# Altium PCB MIXR Input System.PcbDoc (continued)
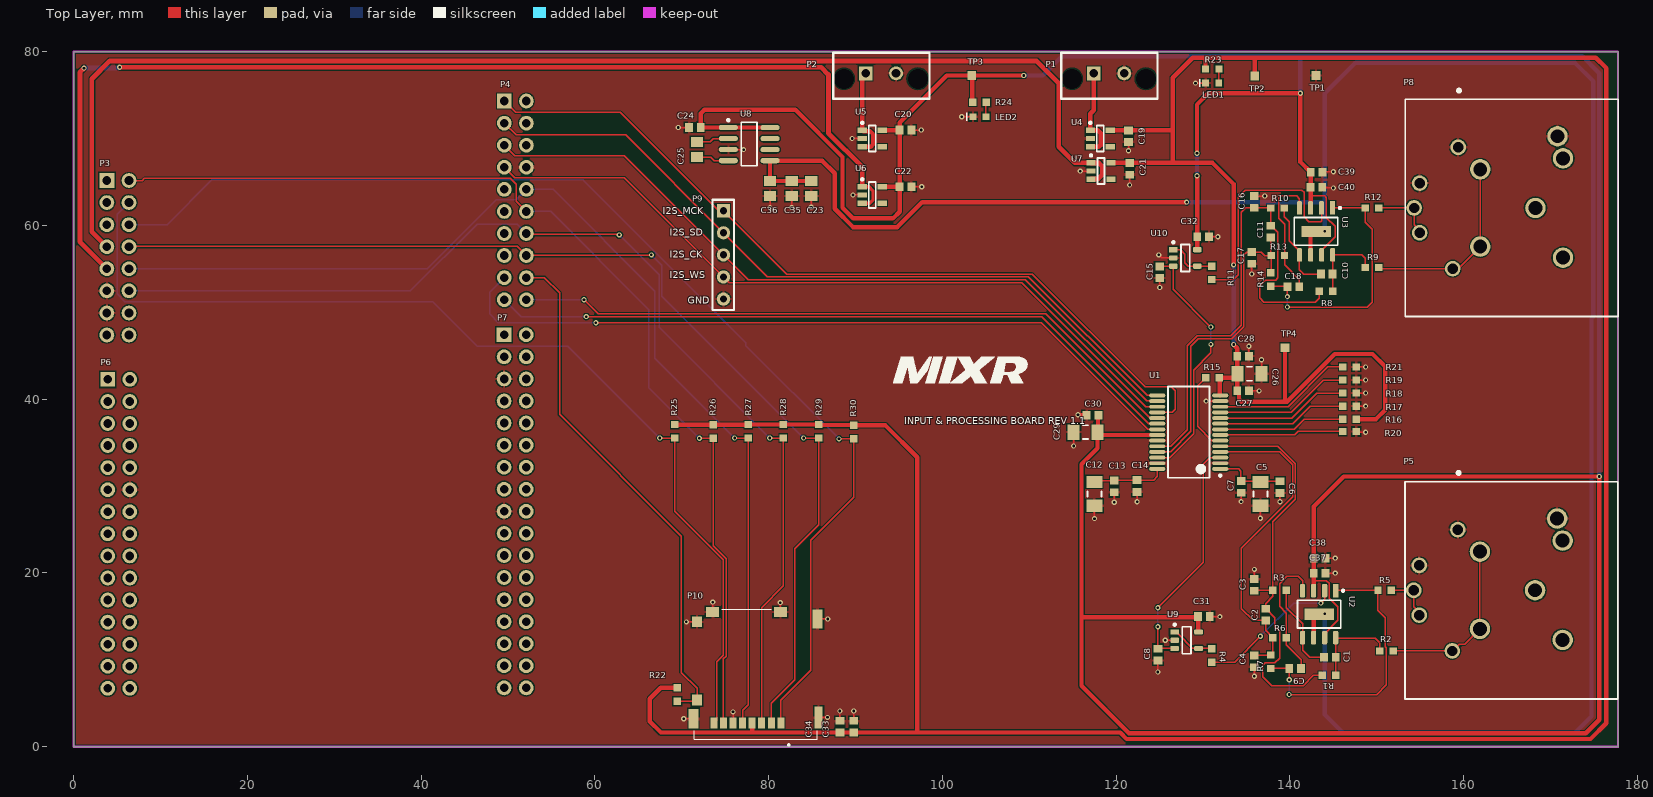
[diagram p0: Top Layer view]
## Part data
C1 C9 C10 C18: "1000pF ±10% 16V Ceramic Capacitor X7R 0603 (1608 Metric)", Manufacturer=KEMET, Manufacturer Part Number=C0603C102K4RECAUTO, Supplier Part Number 1=399-17878-1-ND, ComponentLink1Description=https://api.kemet.com/component-edge/download/datasheet/C0603C102K4RECAUTO.pdf?src-supplier=Digi-Key, ComponentLink1URL=https://api.kemet.com/component-edge/download/datasheet/C0603C102K4RECAUTO.pdf?src-supplier=Digi-Key, Pricing 1="1 = 0.19000, 10 = 0.13200, 100 = 0.06210, 500 = 0.04356, 1000 = 0.03606 (USD)", RoHS=No, Stock 1=7692, Supplier 1=Digi-Key
C2 C11: "2700pF ±10% 50V Ceramic Capacitor X7R 0603 (1608 Metric)", Capacitance=2.7nF, Case/Package=0603, Case Code (Metric)=1608, Dielectric=X7R, Dielectric Material=Ceramic, Manufacturer=KEMET, Manufacturer Part Number=C0603C272K5RACTU, Max Operating Temperature=125°C, Min Operating Temperature=-55°C, Package Quantity=1, Supplier Part Number 1=399-7890-1-ND, Tolerance=10%, Voltage=50V, Case Code (Imperial)=0603, ComponentLink1Description=https://datasheet.ciiva.com/18192/getdatasheetpartid-321287-18192955.pdf?src-supplier=Verical, ComponentLink1URL=https://datasheet.ciiva.com/18192/getdatasheetpartid-321287-18192955.pdf?src-supplier=Verical, ComponentLink2Description=https://datasheet.ciiva.com/7823/1633156-7823726.pdf?src-supplier=Element14, ComponentLink2URL=https://datasheet.ciiva.com/7823/1633156-7823726.pdf?src-supplier=Element14, ComponentLink3Description=https://datasheet.ciiva.com/7823/1633156-7823727.pdf?src-supplier=Element14, ComponentLink3URL=https://datasheet.ciiva.com/7823/1633156-7823727.pdf?src-supplier=Element14, Depth=0.8mm, Height=0.8mm, Lead Pitch=0.7mm, Length=1.6mm, Mount="Surface Mount", Number of Pins=2, Packaging="Tape and Reel", Pricing 1="1 = 0.11000, 10 = 0.08200, 100 = 0.03660, 500 = 0.02614, 1000 = 0.02054 (USD)", Radiation Hardening=No, REACH SVHC="No SVHC", RoHS=Yes, Stock 1=166011, Supplier 1=Digi-Key, Termination=SMD/SMT, Thickness=0.034inch, Voltage Rating=50V, Voltage Rating (DC)=50V, Width=0.031inch
C3 C4 C16 C17: "100pF ±1% 50V Ceramic Capacitor C0G, NP0 0603 (1608 Metric)", Capacitance=100pF, Case/Package=0603, Case Code (Metric)=1608, Dielectric=C0G, Manufacturer="Kyocera AVX", Manufacturer Part Number=06035A101FAT2A, Max Operating Temperature=125°C, Min Operating Temperature=-55°C, Package Quantity=1, Supplier Part Number 1=478-6202-1-ND, Tolerance=1%, Voltage=50V, Case Code (Imperial)=0603, ComponentLink1Description=https://datasheet.ciiva.com/22682/1796416-22682854.pdf, ComponentLink1URL=https://datasheet.ciiva.com/22682/1796416-22682854.pdf, ComponentLink2Description=https://datasheet.ciiva.com/150/ccog-150746.pdf, ComponentLink2URL=https://datasheet.ciiva.com/150/ccog-150746.pdf, ComponentLink3Description=https://datasheet.ciiva.com/150/ccog-150747.pdf, ComponentLink3URL=https://datasheet.ciiva.com/150/ccog-150747.pdf, ComponentLink4Description=https://datasheet.ciiva.com/150/ccog-150748.pdf, ComponentLink4URL=https://datasheet.ciiva.com/150/ccog-150748.pdf, ComponentLink5Description=https://datasheet.ciiva.com/28585/1796416-28585980.pdf, ComponentLink5URL=https://datasheet.ciiva.com/28585/1796416-28585980.pdf, ComponentLink6Description=https://datasheet.ciiva.com/16300/ccog-16300413.pdf, ComponentLink6URL=https://datasheet.ciiva.com/16300/ccog-16300413.pdf, ComponentLink7Description=https://datasheet.ciiva.com/17492/ccog-17492189.pdf, ComponentLink7URL=https://datasheet.ciiva.com/17492/ccog-17492189.pdf, Depth=0.81mm, Height=0.86mm, Lead Free="Lead Free", Length=1.6mm, Mount="Surface Mount", Packaging="Tape and Reel", Pricing 1="1=0.24, 10=0.161, 100=0.0814, 500=0.0557, 1000=0.0493 (USD)", Radiation Hardening=No, REACH SVHC="No SVHC", Stock 1=176069, Supplier 1=Digi-Key, Termination=SMD/SMT, Thickness=0.035inch, Voltage Rating=50V, Voltage Rating (DC)=50V, Width=0.81mm
C5 C12 C26 C29: "22µF ±10% 6.3V Ceramic Capacitor X7R 1206 (3216 Metric)", Capacitance=22µF, Manufacturer 1="Murata Electronics North America", Manufacturer Part Number 1=GRM31CR70J226KE19L, Operating Temperature="-55°C ~ 125°C", Package / Case="1206 (3216 Metric)", Ratings=-, Supplier Part Number 1=490-6515-1-ND, Temperature Coefficient=X7R, Tolerance=±10%, Voltage=6.3V, ComponentLink1Description=http://www.murata.com/~/media/webrenewal/support/library/catalog/products/capacitor/mlcc/c02e.ashx, ComponentLink1URL=http://www.murata.com/~/media/webrenewal/support/library/catalog/products/capacitor/mlcc/c02e.ashx, Height - Seated (Max)=-, Lead Spacing=-, Lead Style=-, Mounting Type="Surface Mount, MLCC", Packaging="Cut Tape (CT)", Part Status=Active, Size / Dimension="0.126\" L x 0.063\" W (3.20mm x 1.60mm)", Supplier 1=Digi-Key, Thickness (Max)="0.071\" (1.80mm)"
C6 C13 C27 C30 C37 C39: "10µF ±20% 25V Ceramic Capacitor X5R 0603 (1608 Metric)", Capacitance=10µF, Manufacturer 1="Murata Electronics North America", Manufacturer Part Number 1=GRM188R61E106MA73D, Operating Temperature="-55°C ~ 85°C", Package / Case="0603 (1608 Metric)", Ratings=-, Supplier Part Number 1=490-7202-1-ND, Temperature Coefficient=X5R, Tolerance=±20%, Voltage=25V, ComponentLink1Description=http://www.murata.com/~/media/webrenewal/support/library/catalog/products/capacitor/mlcc/c02e.ashx, ComponentLink1URL=http://www.murata.com/~/media/webrenewal/support/library/catalog/products/capacitor/mlcc/c02e.ashx, Height - Seated (Max)=-, Lead Spacing=-, Lead Style=-, Mounting Type="Surface Mount, MLCC", Packaging="Cut Tape (CT)", Part Status=Active, Size / Dimension="0.063\" L x 0.031\" W (1.60mm x 0.80mm)", Supplier 1=Digi-Key, Thickness (Max)="0.031\" (0.80mm)"
C7 C8 C14 C15 C28 C31 C32 C34 C38 C40: "0.10µF ±10% 50V Ceramic Capacitor X7R 0603 (1608 Metric)", Capacitance=0.1µF, Manufacturer 1="AVX Corporation", Manufacturer Part Number 1=06035C104KAT2A, Operating Temperature="-55°C ~ 125°C", Package / Case="0603 (1608 Metric)", Ratings=-, Supplier Part Number 1=478-5052-1-ND, Temperature Coefficient=X7R, Tolerance=±10%, Voltage=50V, ComponentLink1Description=http://datasheets.avx.com/X7RDielectric.pdf, ComponentLink1URL=http://datasheets.avx.com/X7RDielectric.pdf, Height - Seated (Max)=-, Lead Spacing=-, Lead Style=-, Mounting Type="Surface Mount, MLCC", Packaging="Cut Tape (CT)", Part Status=Active, Size / Dimension="0.063\" L x 0.032\" W (1.60mm x 0.81mm)", Supplier 1=Digi-Key, Thickness (Max)="0.035\" (0.90mm)"
C19 C20 C21 C22 C33: "4.7µF ±10% 25V Ceramic Capacitor X5R 0603 (1608 Metric)", Capacitance=4.7µF, Manufacturer 1="Murata Electronics North America", Manufacturer Part Number 1=GRM188R61E475KE11D, Operating Temperature="-55°C ~ 85°C", Package / Case="0603 (1608 Metric)", Ratings=-, Supplier Part Number 1=490-7203-1-ND, Temperature Coefficient=X5R, Tolerance=±10%, Voltage=25V, ComponentLink1Description=http://www.murata.com/~/media/webrenewal/support/library/catalog/products/capacitor/mlcc/c02e.ashx, ComponentLink1URL=http://www.murata.com/~/media/webrenewal/support/library/catalog/products/capacitor/mlcc/c02e.ashx, Height - Seated (Max)=-, Lead Spacing=-, Lead Style=-, Mounting Type="Surface Mount, MLCC", Packaging="Cut Tape (CT)", Part Status=Active, Size / Dimension="0.063\" L x 0.031\" W (1.60mm x 0.80mm)", Supplier 1=Digi-Key, Thickness (Max)="0.031\" (0.80mm)"
C23 C25 C35 C36: "10µF ±10% 25V Ceramic Capacitor X5R 0805 (2012 Metric)", Capacitance=10µF, Manufacturer="Murata Electronics North America", Manufacturer Part Number=GRM21BR61E106KA73L, Operating Temperature="-55°C ~ 85°C", Package / Case="0805 (2012 Metric)", Ratings=-, Supplier Part Number 1=490-5523-1-ND, Temperature Coefficient=X5R, Tolerance=±10%, Voltage - Rated=25V, Applications="General Purpose", Category=Capacitors, ComponentLink1Description=http://search.murata.co.jp/Ceramy/image/img/A01X/G101/ENG/GRM21BR61E106KA73-01.pdf, ComponentLink1URL=http://search.murata.co.jp/Ceramy/image/img/A01X/G101/ENG/GRM21BR61E106KA73-01.pdf, Features=-, Height - Seated (Max)=-, Lead Spacing=-, Lead Style=-, Mounting Type="Surface Mount, MLCC", Packaging="Cut Tape (CT)", Part Status=Active, Pricing 1="1=0.3, 10=0.214, 100=0.1008, 500=0.07068, 1000=0.05851 (CAD)", RoHS="RoHS Compliant", Size / Dimension="0.079\" L x 0.049\" W (2.00mm x 1.25mm)", Stock 1=1695157, Supplier 1=Digi-Key, Thickness (Max)="0.053\" (1.35mm)"
C24: "2.2µF ±10% 25V Ceramic Capacitor X5R 0603 (1608 Metric)", Capacitance=2.2µF, Manufacturer 1="Murata Electronics North America", Manufacturer Part Number 1=GRM188R61E225KA12D, Operating Temperature="-55°C ~ 85°C", Package / Case="0603 (1608 Metric)", Ratings=-, Supplier Part Number 1=490-10731-1-ND, Temperature Coefficient=X5R, Tolerance=±10%, Voltage=25V, ComponentLink1Description=http://www.murata.com/~/media/webrenewal/support/library/catalog/products/capacitor/mlcc/c02e.ashx, ComponentLink1URL=http://www.murata.com/~/media/webrenewal/support/library/catalog/products/capacitor/mlcc/c02e.ashx, Height - Seated (Max)=-, Lead Spacing=-, Lead Style=-, Mounting Type="Surface Mount, MLCC", Packaging="Cut Tape (CT)", Part Status=Active, Size / Dimension="0.063\" L x 0.031\" W (1.60mm x 0.80mm)", Supplier 1=Digi-Key, Thickness (Max)="0.035\" (0.90mm)"
LED1: "Green 572nm LED Indication - Discrete 2V 0603 (1608 Metric)", Color=Green, Current - Test=20mA, Lens Color=Colorless, Manufacturer="Wurth Electronics Inc.", Manufacturer Part Number=150060VS75000, Millicandela Rating=40mcd, Package / Case="0603 (1608 Metric)", Supplier Device Package=0603, Supplier Part Number 1=732-4980-1-ND, Voltage - Forward (Vf) (Typ)=2V, Category=Optoelectronics, ComponentLink1Description=http://katalog.we-online.de/led/datasheet/150060VS75000.pdf, ComponentLink1URL=http://katalog.we-online.de/led/datasheet/150060VS75000.pdf, Features=-, Height (Max)=0.80mm, Lens Style/Size="Rectangle with Flat Top, 1.10mm x 0.70mm", Lens Transparency=Clear, Mounting Type="Surface Mount", Packaging="Cut Tape (CT)", Part Status=Active, Pricing 1="1=0.21, 100=0.1617, 500=0.13964 (CAD)", RoHS="RoHS Compliant", Size / Dimension="1.60mm L x 0.80mm W", Stock 1=9408, Supplier 1=Digi-Key, Viewing Angle=140°, Wavelength - Dominant=570nm, Wavelength - Peak=572nm
LED2: "Blue 470nm LED Indication - Discrete 2.8V 0603 (1608 Metric)", Color=Blue, Current - Test=5mA, Lens Color=Colorless, Manufacturer 1="Lite-On Inc.", Manufacturer Part Number 1=LTST-C193TBKT-5A, Millicandela Rating=15mcd, Package / Case="0603 (1608 Metric)", Supplier Device Package="Chip LED", Supplier Part Number 1=160-1827-1-ND, Voltage - Forward (Vf) (Typ)=2.8V, ComponentLink1Description=http://optoelectronics.liteon.com/upload/download/DS22-2004-060/P_100_LTST-C193TBKT-5A.pdf, ComponentLink1URL=http://optoelectronics.liteon.com/upload/download/DS22-2004-060/P_100_LTST-C193TBKT-5A.pdf, Height (Max)=0.45mm, Lens Style/Size="Rectangle with Flat Top, 1.15mm x 0.80mm", Lens Transparency=Clear, Mounting Type="Surface Mount", Packaging="Cut Tape (CT)", Part Status=Active, Size / Dimension="1.60mm L x 0.80mm W", Supplier 1=Digi-Key, Viewing Angle=130°, Wavelength - Dominant=470nm, Wavelength - Peak=468nm
P1 P2: "Connector Header Through Hole 2 position 0.138\" (3.50mm)", Color=Black, Manufacturer=Molex, Manufacturer Part Number=1722871102, Supplier Part Number 1=WM11701-ND, ComponentLink1Description=http://www.molex.com/pdm_docs/sd/1722861302_sd.pdf, ComponentLink1URL=http://www.molex.com/pdm_docs/sd/1722861302_sd.pdf, Connector Type="Male Pin", Contact Plating=Tin, Fastening Type=Latch, Mount="Through Hole", Number of Positions=2, Number of Rows=1, Packaging=Tray, Pitch=0.138inch, Pricing 1="1 = 0.78000, 10 = 0.68800, 100 = 0.59380, 500 = 0.48582, 1000 = 0.43184, 5000 = 0.37786, 10000 = 0.35897 (USD)", RoHS=Yes, Series=UltraFit, Stock 1=2743, Supplier 1=Digi-Key, Termination=Solder
P3: "16 Position Header Connector 0.100\" (2.54mm) Through Hole Tin", Color=Black, Manufacturer=Sullins, Manufacturer Part Number=PPTC082LFBN-RC, Package Quantity=1000, Supplier Part Number 1=S7076-ND, ComponentLink1Description=http://www.sullinscorp.com/catalogs/101_Page80-81_HEADER_.100_2.54mm_FEMALE.pdf?src-supplier=Future+Electronics, ComponentLink1URL=http://www.sullinscorp.com/catalogs/101_Page80-81_HEADER_.100_2.54mm_FEMALE.pdf?src-supplier=Future+Electronics, ComponentLink2Description=https://drawings-pdf.s3.amazonaws.com/10492.pdf?src-supplier=Digi-Key, ComponentLink2URL=https://drawings-pdf.s3.amazonaws.com/10492.pdf?src-supplier=Digi-Key, Connector Type=Header, Contact Material=Bronze, Contact Plating=Tin, Height=8.5mm, Housing Material=Plastic, Lead Free="Lead Free", Length=20.8mm, Mount="Through Hole", Number of Positions=16, Number of Rows=2, Packaging=Bulk, Pitch=0.1inch, Pricing 1="1 = 0.99000, 10 = 0.87000, 100 = 0.75040, 500 = 0.61398, 1000 = 0.54576, 5000 = 0.49270 (USD)", RoHS=Yes, Row Spacing=0.1inch, Stock 1=4232, Supplier 1=Digi-Key, Termination=Solder, Width=5mm
P4: "20 Position Header Connector 0.100\" (2.54mm) Through Hole Tin", Color=Black, Manufacturer=Sullins, Manufacturer Part Number=PPTC102LFBN-RC, Package Quantity=1000, Supplier Part Number 1=S7078-ND, ComponentLink1Description=http://www.sullinscorp.com/catalogs/101_Page80-81_HEADER_.100_2.54mm_FEMALE.pdf?src-supplier=Future+Electronics, ComponentLink1URL=http://www.sullinscorp.com/catalogs/101_Page80-81_HEADER_.100_2.54mm_FEMALE.pdf?src-supplier=Future+Electronics, ComponentLink2Description=https://media.digikey.com/pdf/Data%20Sheets/Sullins%20PDFs/Female_Headers.100_DS.pdf?src-supplier=Digi-Key, ComponentLink2URL=https://media.digikey.com/pdf/Data%20Sheets/Sullins%20PDFs/Female_Headers.100_DS.pdf?src-supplier=Digi-Key, Connector Type=Header, Contact Material=Bronze, Contact Plating=Tin, Height=8.5mm, Housing Material=Plastic, Lead Free="Lead Free", Length=25.9mm, Mount="Through Hole", Number of Positions=20, Number of Rows=2, Packaging=Bulk, Pitch=0.1inch, Pricing 1="1 = 1.30000, 10 = 1.14500, 100 = 0.98800, 500 = 0.80838, 1000 = 0.71856, 5000 = 0.64870 (USD)", RoHS=Yes, Row Spacing=0.1inch, Stock 1=4161, Supplier 1=Digi-Key, Termination=Solder, Width=5mm
P5 P8: "XLR Connectors A SERIES COMBO;3POLE FEM;PCB HOR", Case/Package=Metal, Color=Black, Current Rating=3A, Flammability Rating="UL94 HB", Manufacturer=Neutrik, Manufacturer_Part_Number=NCJ6FA-H, Max Operating Temperature=80°C, Min Operating Temperature=-30°C, Mouser Part Number=568-NCJ6FA-H, Package Quantity=10, Voltage Rating=50V, Body Material=Metal, ComponentLink1Description=https://datasheet.ciiva.com/30126/neutrik-ncj6fa-h-1-30126129.pdf?src-supplier=Onlinecomponents.com, ComponentLink1URL=https://datasheet.ciiva.com/30126/neutrik-ncj6fa-h-1-30126129.pdf?src-supplier=Onlinecomponents.com, ComponentLink2Description=https://datasheet.ciiva.com/8008/76755-8008003.pdf?src-supplier=Element14, ComponentLink2URL=https://datasheet.ciiva.com/8008/76755-8008003.pdf?src-supplier=Element14, ComponentLink3Description=https://datasheet.ciiva.com/24394/neutrik-ncj6fa-h-1-24394955.pdf?src-supplier=Onlinecomponents.com, ComponentLink3URL=https://datasheet.ciiva.com/24394/neutrik-ncj6fa-h-1-24394955.pdf?src-supplier=Onlinecomponents.com, Connector Type=Socket, Contact Material=Bronze, Contact Plating=Gold, Datasheet Link=http://www.neutrik.com/zoolu-website/media/download/13540/Product+Guide+-+Section+XLR, Depth=30.2mm, Gender=Female, Housing Material=Polyamide, Length=25mm, Manufacturer_Name=Neutrik, Manufacturer Part Number=NCJ6FA-H, Mouser Price/Stock=https://www.mouser.com/Search/Refine.aspx?Keyword=568-NCJ6FA-H, Number of Contacts=6, Number of Pins=3, Number of Ports=1, Number of Positions=3, Number of Terminals=6, Orientation=Horizontal, Pricing 1="1 = 2.06000, 10 = 1.96000, 50 = 1.86000, 100 = 1.80000, 1000 = 1.77000, 10000 = 1.77000 (USD)", REACH SVHC="No SVHC", RoHS=Yes, Stock 1=3848, Supplier 1=Mouser, Supplier Part Number 1=568-NCJ6FA-H, Termination=Solder, Weight=0.388014oz
P6: "30 Position Header Connector 0.100\" (2.54mm) Through Hole Tin", Color=Black, Manufacturer=Sullins, Manufacturer Part Number=PPTC152LFBN-RC, Package Quantity=1000, Supplier Part Number 1=S7083-ND, ComponentLink1Description=https://media.digikey.com/pdf/Data%20Sheets/Sullins%20PDFs/Female_Headers.100_DS.pdf?src-supplier=Digi-Key, ComponentLink1URL=https://media.digikey.com/pdf/Data%20Sheets/Sullins%20PDFs/Female_Headers.100_DS.pdf?src-supplier=Digi-Key, Connector Type=Header, Contact Material=Bronze, Contact Plating=Tin, Height=8.5mm, Housing Material=Plastic, Lead Free="Lead Free", Length=38.6mm, Mount="Through Hole", Number of Positions=30, Number of Rows=2, Packaging=Bulk, Pitch=0.1inch, Pricing 1="1 = 1.82000, 10 = 1.65200, 100 = 1.41560, 500 = 1.17968, 1000 = 1.01115, 5000 = 0.97370 (USD)", RoHS=Yes, Row Spacing=0.1inch, Stock 1=3515, Supplier 1=Digi-Key, Termination=Solder, Width=5mm
P7: "34 Position Header Connector 0.100\" (2.54mm) Through Hole Tin", Color=Black, Manufacturer=Sullins, Manufacturer Part Number=PPTC172LFBN-RC, Package Quantity=1000, Supplier Part Number 1=S7085-ND, ComponentLink1Description=https://media.digikey.com/pdf/Data%20Sheets/Sullins%20PDFs/Female_Headers.100_DS.pdf?src-supplier=Digi-Key, ComponentLink1URL=https://media.digikey.com/pdf/Data%20Sheets/Sullins%20PDFs/Female_Headers.100_DS.pdf?src-supplier=Digi-Key, Connector Type=Header, Contact Material=Bronze, Contact Plating=Tin, Height=8.5mm, Housing Material=Plastic, Lead Free="Lead Free", Length=43.7mm, Mount="Through Hole", Number of Positions=34, Number of Rows=2, Packaging=Bulk, Pitch=0.1inch, Pricing 1="1 = 1.94000, 10 = 1.76400, 100 = 1.51200, 500 = 1.26000, 1000 = 1.08000, 5000 = 1.04000 (USD)", RoHS=Yes, Row Spacing=0.1inch, Stock 1=1849, Supplier 1=Digi-Key, Termination=Solder, Width=5mm
P9: library part "CONN 5POS HEADR MALE 0.1in", "5 Positions Header, Breakaway Connector 0.100\" (2.54mm) Through Hole Tin", Colour=Black, Contact Resistance=20mR, Manufacturer 1=Molex, Manufacturer Part Number 1=0022284050, Max Operating Temperature=75°C, Max Voltage Rating (AC)=250V, Min Operating Temperature=0°C, Supplier Part Number 1=WM50014-05-ND, ComponentLink1Description=https://datasheet.ciiva.com/6814/022284363-sd-6814049.pdf, ComponentLink1URL=https://datasheet.ciiva.com/6814/022284363-sd-6814049.pdf, ComponentLink2Description=https://datasheet.ciiva.com/14804/179390022284050-pcb-headers-14804361.pdf, ComponentLink2URL=https://datasheet.ciiva.com/14804/179390022284050-pcb-headers-14804361.pdf, ComponentLink3Description=https://datasheet.ciiva.com/15217/getdatasheetpartid-256138-15217709.pdf, ComponentLink3URL=https://datasheet.ciiva.com/15217/getdatasheetpartid-256138-15217709.pdf, Connector Type="Male Pin", Contact Material=Bronze,Brass, Contact Mating Length=0.24inch, Contact Plating=Nickel,Tin, Depth=2.49mm, Description 1="Conn Unshrouded Header HDR 5 POS 2.54mm Solder ST Thru-Hole KK® Bag", Gender=Male, Housing Colour=Black, Housing Material=Nylon, Length=12.7mm, Max Voltage Rating (DC)=250V, Mount="Through Hole", Number of Contacts=5, Number of Positions=5, Number of Rows=1, Orientation=Straight, Packaging=Bulk, Pitch=2.54mm, Pricing 1="1=0.22, 10=0.21, 25=0.1796, 50=0.157, 100=0.1459, 250=0.129, 500=0.1234 (USD)", Stock 1=3161, Supplier 1=Digi-Key, Termination=Solder
P10: "9 (8 + 1) Position Card Connector microSD™ Surface Mount, Right Angle Gold", Manufacturer=Molex, Manufacturer Part Number=503182-1852, Max Operating Temperature=85°C, Min Operating Temperature=-25°C, Package Quantity=1600, Supplier Part Number 1=WM12834CT-ND, Connector Type=Connector, Contact Material="Copper Alloy", Contact Plating=Gold, Depth=14.95mm, Gender=Male, Halogen Free="Low Halogen", Housing Material=Polymer, Length=15.2mm, Mount="Surface Mount", Number of Circuits=8, Number of Rows=1, Orientation="Right Angle", Packaging="Tape and Reel", Pitch=1.1mm, Pricing 1="1 = 2.45000, 10 = 2.22400, 25 = 2.08840, 50 = 1.99740, 100 = 1.90670, 250 = 1.72508, 500 = 1.58890 (USD)", REACH SVHC="No SVHC", RoHS=Yes, Stock 1=36042, Supplier 1=Digi-Key, Termination=Solder
R1 R2 R4 R5 R7 R8 R9 R11 R12 R14: library part "RES 1K OHM 5% 1/10W 0603", "1k Ohm ±5% 0.1W, 1/10W Chip Resistor 0603 (1608 Metric)", Manufacturer=Yageo, Manufacturer Part Number=RC0603JR-071KL, Operating Temperature="-55°C ~ 155°C", Package / Case="0603 (1608 Metric)", Power (Watts)="0.1W, 1/10W", Resistance (Ohms)=1k, Supplier Device Package=0603, Supplier Part Number 1=311-1.0KGRCT-ND, Temperature Coefficient=±100ppm/°C, Tolerance=±5%, Category=Resistors, ComponentLink1Description=http://www.yageo.com/documents/recent/PYu-RC_Group_51_RoHS_L_7.pdf, ComponentLink1URL=http://www.yageo.com/documents/recent/PYu-RC_Group_51_RoHS_L_7.pdf, Composition="Thick Film", Failure Rate=-, Features="Moisture Resistant", Height - Seated (Max)="0.022\" (0.55mm)", Packaging="Cut Tape (CT)", Part Status=Active, Pricing 1="1=0.15, 10=0.017, 100=0.0071, 1000=0.0032, 2500=0.00278 (CAD)", RoHS="RoHS Compliant", Size / Dimension="0.063\" L x 0.031\" W (1.60mm x 0.80mm)", Stock 1=4415240, Supplier 1=Digi-Key
R3 R6 R10 R13: "RES SMD 40.2 OHM 0.5% 1/10W 0603", Manufacturer 1=Yageo, Manufacturer Part Number 1=RT0603DRE0740R2L, Operating Temperature="-55°C ~ 155°C", Package / Case="0603 (1608 Metric)", Power=1/10W, Resistance=40.2, Supplier Device Package=0603, Supplier Part Number 1=311-2576-1-ND, Temperature Coefficient=±50ppm/°C, Tolerance=±0.5%, ComponentLink1Description=http://www.yageo.com/documents/recent/PYu-RT_1-to-0.01_RoHS_L_7.pdf, ComponentLink1URL=http://www.yageo.com/documents/recent/PYu-RT_1-to-0.01_RoHS_L_7.pdf, Composition="Thin Film", Failure Rate=-, Height - Seated (Max)="0.022\" (0.55mm)", Packaging="Cut Tape (CT)", Part Status=Active, Size / Dimension="0.063\" L x 0.031\" W (1.60mm x 0.80mm)", Supplier 1=Digi-Key
R15 R16 R17 R18 R19 R20 R21 R22 R23 R24 R25 R26 R27 R28 R29 R30: "RES SMD 10K OHM 1% 1/10W 0603", Manufacturer 1=Yageo, Manufacturer Part Number 1=RC0603FR-0710KL, Operating Temperature="-55°C ~ 155°C", Package / Case="0603 (1608 Metric)", Power=1/10W, Resistance=10k, Supplier Device Package=0603, Supplier Part Number 1=311-10.0KHRCT-ND, Temperature Coefficient=±100ppm/°C, Tolerance=±1%, ComponentLink1Description=http://www.yageo.com/documents/recent/PYu-RC_Group_51_RoHS_L_7.pdf, ComponentLink1URL=http://www.yageo.com/documents/recent/PYu-RC_Group_51_RoHS_L_7.pdf, Composition="Thick Film", Failure Rate=-, Height - Seated (Max)="0.022\" (0.55mm)", Packaging="Cut Tape (CT)", Part Status=Active, Size / Dimension="0.063\" L x 0.031\" W (1.60mm x 0.80mm)", Supplier 1=Digi-Key
U1: library part "IC ADC 24 BIT AUDIO 216KHZ SSOP-28", "ADC, Audio 24 bit 216k DSP, PCM 28-SSOP", Case/Package=SSOP, Manufacturer="Texas Instruments", Manufacturer Part Number=PCM4202DBT, Max Operating Temperature=70°C, Max Power Dissipation=408mW, Max Supply Voltage=5.25V, Min Operating Temperature=-10°C, Min Supply Voltage=4.75V, Nominal Supply Current=55mA, Operating Supply Voltage=5V, Package Quantity=250, Power Consumption=338mW, Supplier Part Number 1=296-17438-1-ND, ComponentLink1Description=https://datasheet.ciiva.com/25988/sbas290b-25988737.pdf?src-supplier=Avnet+Europe, ComponentLink1URL=https://datasheet.ciiva.com/25988/sbas290b-25988737.pdf?src-supplier=Avnet+Europe, ComponentLink2Description=https://datasheet.ciiva.com/41460/001186374-da-01-en-ic-adc-stereo-24b-pcm4202dbt-ssop-28-tid-41460403.pdf?src-supplier=Conrad, ComponentLink2URL=https://datasheet.ciiva.com/41460/001186374-da-01-en-ic-adc-stereo-24b-pcm4202dbt-ssop-28-tid-41460403.pdf?src-supplier=Conrad, ComponentLink3Description=https://datasheet.ciiva.com/26800/pcm4202dbt-26800794.pdf?src-supplier=IIIC, ComponentLink3URL=https://datasheet.ciiva.com/26800/pcm4202dbt-26800794.pdf?src-supplier=IIIC, ComponentLink4Description=https://datasheet.ciiva.com/29896/sbas290b-29896124.pdf?src-supplier=Avnet, ComponentLink4URL=https://datasheet.ciiva.com/29896/sbas290b-29896124.pdf?src-supplier=Avnet, ComponentLink5Description=https://datasheet.ciiva.com/1307/pcm4202-1307121.pdf?src-supplier=Digi-Key, ComponentLink5URL=https://datasheet.ciiva.com/1307/pcm4202-1307121.pdf?src-supplier=Digi-Key, ComponentLink6Description=https://datasheet.ciiva.com/1307/pcm4202-1307122.pdf?src-supplier=Digi-Key, ComponentLink6URL=https://datasheet.ciiva.com/1307/pcm4202-1307122.pdf?src-supplier=Digi-Key, ComponentLink7Description=https://datasheet.ciiva.com/1307/pcm4202-1307123.pdf?src-supplier=Digi-Key, ComponentLink7URL=https://datasheet.ciiva.com/1307/pcm4202-1307123.pdf?src-supplier=Digi-Key, ComponentLink8Description=https://datasheet.ciiva.com/15147/getdatasheetpartid-171631-15147899.pdf?src-supplier=Verical, ComponentLink8URL=https://datasheet.ciiva.com/15147/getdatasheetpartid-171631-15147899.pdf?src-supplier=Verical, Conversion Rate=216KS/s, Height=1.95mm, Interface=Serial, Lead Free="Lead Free", Length=10.2mm, Mount="Surface Mount", Number of A/D Converters=2, Number of ADC Channels=2, Number of Analog Inputs=1, Number of Bits=24, Number of Converters=2, Number of DAC Channels=0, Number of Elements=2, Number of Pins=28, Packaging="Tape and Reel", Polarity=Bipolar, Power Dissipation=408mW, Pricing 1="1 = 9.85000, 10 = 8.89800, 100 = 7.36660 (USD)", Radiation Hardening=No, REACH SVHC="No SVHC", Resolution=24b, RoHS=Yes, Sampling Rate=216KS/s, Stock 1=5943, Supplier 1=Digi-Key, Supply Type=Analog, Weight=0.008529oz, Width=5.3mm
U2 U3: library part "IC OP AMP AUDIO LME49724 8-SOIC", "Audio Amplifier 1 Circuit Differential 8-SO PowerPad", Input Bias Current=60nA, Input Offset Voltage (Vos)=200uV, Manufacturer="TI National Semiconductor", Manufacturer Part Number=LME49724MRX/NOPB, Max Dual Supply Voltage=18V, Max Operating Temperature=85°C, Max Supply Voltage=36V, Min Dual Supply Voltage=2.5V, Min Operating Temperature=-40°C, Min Supply Voltage=5V, Operating Supply Current=10mA, Output Current=80mA, Package Quantity=2500, Power Supply Rejection Ratio (PSRR)=95dB, Supplier Part Number 1=296-37390-1-ND, Voltage Gain=125dB, Common Mode Rejection Ratio=95dB, ComponentLink1Description=https://datasheet.ciiva.com/29638/lme49724-29638149.pdf?src-supplier=Digi-Key, ComponentLink1URL=https://datasheet.ciiva.com/29638/lme49724-29638149.pdf?src-supplier=Digi-Key, ComponentLink2Description=https://datasheet.ciiva.com/29638/lme49724-29638731.pdf?src-supplier=Digi-Key, ComponentLink2URL=https://datasheet.ciiva.com/29638/lme49724-29638731.pdf?src-supplier=Digi-Key, ComponentLink3Description=https://datasheet.ciiva.com/1818/lme49724-1818445.pdf?src-supplier=Digi-Key, ComponentLink3URL=https://datasheet.ciiva.com/1818/lme49724-1818445.pdf?src-supplier=Digi-Key, Contact Plating=Tin, Gain Bandwidth Product=50MHz, Lead Free="Lead Free", Mount="Surface Mount", Number of Channels=1, Number of Circuits=1, Number of Elements=1, Number of Pins=8, Output Current per Channel=80mA, Packaging="Tape and Reel", Pricing 1="1 = 2.67000, 10 = 2.40200, 100 = 1.93060, 500 = 1.58620, 1000 = 1.31428 (USD)", Radiation Hardening=No, RoHS=Yes, Slew Rate=18V/µs, Stock 1=17947, Supplier 1=Digi-Key, Unity Gain Bandwidth Product=50MHz
U4 U5 U6 U7: "OR Controller Source Selector Switch P-Channel 1:1 SOT-23-5", Manufacturer=Maxim, Manufacturer Part Number=MAX40200AUK+T, Supplier Part Number 1=MAX40200AUK+TCT-ND, ComponentLink1Description=Datasheet, ComponentLink1URL=https://datasheets.maximintegrated.com/en/ds/MAX40200.pdf, Pricing 1="1 = 0.93000, 10 = 0.82100, 100 = 0.62930, 500 = 0.49750, 1000 = 0.39799 (USD)", Stock 1=7780, Supplier 1=Digi-Key
U8: "Charge Pump Switching Regulator IC Positive or Negative Fixed -Vin, 2Vin 1 Output 20mA 8-SOIC (0.154\", 3.90mm Width)", Case/Package=SOIC, Manufacturer=Microchip, Manufacturer Part Number=TC7662BEOA713, Max Input Voltage=15V, Max Operating Temperature=85°C, Max Output Current=20mA, Max Output Voltage=-15V, Min Operating Temperature=-40°C, Min Supply Voltage=1.5V, Output Power=470mW, Package Quantity=1, Supplier Part Number 1=TC7662BEOA713CT-ND, Switching Frequency=35kHz, ComponentLink1Description=https://datasheet.ciiva.com/2024/21469a-2024368.pdf, ComponentLink1URL=https://datasheet.ciiva.com/2024/21469a-2024368.pdf, ComponentLink2Description=https://datasheet.ciiva.com/2024/filehandler-aspxddocname-en026002-2024369.pdf, ComponentLink2URL=https://datasheet.ciiva.com/2024/filehandler-aspxddocname-en026002-2024369.pdf, ComponentLink3Description=https://datasheet.ciiva.com/16295/filehandler-aspxddocname-en011347-16295442.pdf, ComponentLink3URL=https://datasheet.ciiva.com/16295/filehandler-aspxddocname-en011347-16295442.pdf, ComponentLink4Description=https://datasheet.ciiva.com/3216/cn-21469a-3216331.pdf, ComponentLink4URL=https://datasheet.ciiva.com/3216/cn-21469a-3216331.pdf, ComponentLink5Description=https://datasheet.ciiva.com/18553/filehandler-aspxddocname-en026002-18553038.pdf, ComponentLink5URL=https://datasheet.ciiva.com/18553/filehandler-aspxddocname-en026002-18553038.pdf, ComponentLink6Description=https://datasheet.ciiva.com/4875/21469a-4875151.pdf, ComponentLink6URL=https://datasheet.ciiva.com/4875/21469a-4875151.pdf, Height=1.5mm, Lead Free="Lead Free", Length=5mm, Logic Function=Inverting, Max Supply Voltage=15V, Mount="Surface Mount", Number of Outputs=1, Number of Pins=8, Output Current=20mA, Output Voltage=-15V, Packaging="Tape and Reel", Pricing 1="1=2.29, 25=1.9056, 100=1.7304 (USD)", Radiation Hardening=No, Stock 1=59, Supplier 1=Digi-Key, Synchronous Rectifier=No, Topology="Charge Pump", Weight=0.006596oz, Width=3.99mm
U9 U10: "General Purpose Amplifier 1 Circuit Rail-to-Rail SOT-23-5", Case/Package=SOT-23-5, Input Bias Current=10pA, Input Offset Voltage (Vos)=25uV, Manufacturer="Texas Instruments", Manufacturer Part Number=OPA376AQDBVRQ1, Max Operating Temperature=125°C, Max Supply Voltage=5.5V, Min Operating Temperature=-40°C, Min Supply Voltage=2.2V, Nominal Supply Current=950uA, Operating Supply Current=760uA, Output Current=30mA, Output Current per Channel=50mA, Package Quantity=3000, Power Supply Rejection Ratio (PSRR)=106.02dB, Supplier Part Number 1=296-36701-1-ND, Voltage Gain=134dB, Common Mode Rejection Ratio=76dB, ComponentLink1Description=http://www.ti.com/lit/ds/sbos549/sbos549.pdf?src-supplier=Avnet, ComponentLink1URL=http://www.ti.com/lit/ds/sbos549/sbos549.pdf?src-supplier=Avnet, Gain Bandwidth Product=5.5MHz, Lead Free="Lead Free", Max I/O Voltage=25uV, Number of Channels=1, Number of Circuits=1, Number of Elements=1, Number of Pins=5, Packaging="Tape and Reel", Pricing 1="1 = 2.14000, 10 = 1.92200, 100 = 1.54450, 500 = 1.26896, 1000 = 1.05142 (USD)", Radiation Hardening=No, RoHS=Yes, Slew Rate=2V/µs, Stock 1=26635, Supplier 1=Digi-Key, Unity Gain Bandwidth Product=5.5MHz

## Via types
v1: diameter 0.6, hole 0.3, Top Layer to Bottom Layer, 86 vias
v2: diameter 0.6, hole 0.3, Top Layer to Bottom Layer, tented both sides, 1 vias

## Nets (pads, with @x,y where several pads share a name; then routed paths per layer and width w, separated by ;. In a path a pad name is that pad's centre, name@x,y a point inside that pad or via, vN(x,y) a via of type N, cw(c..) or ccw(c..) an arc to the next point about the centre after c; other vN are vias at no path point)
3V3: C19.1 C21.1 C26.1 C27.1 C28.1 C33.1 C34.2 P10.4 R15.1 R16.1 R22.2 R23.1 R25.2 R26.2 R27.2 R28.2 R29.2 R30.2 TP2.TP TP4.TP U1.14 U4.5 U7.5 | length 406.6
  Top Layer w0.5: R25.2 69.225,37.05 R26.2 73.613,37.063 77.625,37.063 R27.2 R28.2 R29.2 85.795,37.025 89.75,37.025 R30.2 93.432,36.975 97.1,33.307 97.1,1.625 ; R22.2 67.575,6.775 66.325,5.525 66.325,2.9 67.6,1.625 78.1,1.625 ; P10.4 78.1,1.625 ; U4.5 119.33,70.94 121.41,70.94 C19.1 126.5,70.93 ; U7.5@119.458,67.187 121.545,67.187 126.5,67.187 ; R23.1 130.275,79.3 ; U1.14 131.95,40.425 131.925,40.45 131.925,42.4 R15.1 133.508,42.45 C26.1@133.925,42.867 ; v1(133.508,46.292) 133.508,46.265 133.925,45.848 C28.1 C26.1@133.925,42.867 ; v1(133.508,55.446) 133.508,64.764 131.085,67.187 126.5,67.187 ; TP2.TP 135.95,79.3 ; TP4.TP 139.425,39.7 ; R16.1 149.907,37.7 150.977,38.77 150.977,43.723 149.5,45.2 145.15,45.2 139.65,39.7 139.425,39.7 ; 78.1,1.625 C34.2 C33.1 97.1,1.625 ; 97.1,1.625 120.452,1.625 121.196,0.881 174.581,0.881 176.4,2.7 176.4,78.1 175.2,79.3 135.95,79.3 ; 126.5,67.187 126.5,70.93 ; 126.5,70.93 126.5,77 128.8,79.3 130.275,79.3 ; 130.275,79.3 135.95,79.3 ; C26.1@133.925,42.867 C27.1 134.125,40.75 134.125,39.993 134.418,39.7 139.425,39.7
  Bottom Layer w0.5: v1(133.508,46.292) v1(133.508,55.446)
3V3_EXT: P1.1 U4.1 U4.3 | length 10.7
  Top Layer w0.55: U4.3 118,69.05 118.255,69.305 118.255,70.545 117.85,70.95 U4.1 117.02,72.845 117.42,73.245 P1.1
3V3_NUCLEO: P3.4 U7.1 U7.3 | length 148.9
  Top Layer w0.55: P3.4 2.1,59.271 2.1,76.844 4.184,78.927 110.823,78.927 113.375,76.375 113.375,69.072 115.247,67.2 U7.1 117.125,67.175 118.007,67.175 118.382,66.8 118.382,65.835 117.872,65.325 117.125,65.325 U7.3
5V_NUCLEO: P3.5 U6.1 U6.3 | length 129.1
  Top Layer w0.381: U6.3 91.65,62.55 92,62.9 92,64 91.55,64.45 U6.1
  Top Layer w0.55: v1(1.2,78.1) 0.723,77.623 0.723,58.108 P3.5 ; v1(5.3,78.2) 9.7,78.2 86.031,78.2 86.875,77.356 86.875,70.625 90.77,66.73 U6.1
  Bottom Layer w0.5: v1@5.2,78.1 v1(5.3,78.2)
  Bottom Layer w0.55: v1(1.2,78.1) v1@5.2,78.1
+5V: C20.1 C22.1 C24.2 C29.1 C30.1 C31.1 C32.1 C37.1 C38.1 C39.1 C40.1 R24.1 TP3.TP U1.22 U2.3 U2.7 U3.3 U3.7 U5.5 U6.5 U8.1 U8.8 U9.5 U10.5 | length 444.5
  Top Layer w0.15: C31.1 C31.1@129.45,14.95 ; 142.382,63.4 144,63.4 144.2,63.2 144.2,60.9 145.2,59.9 145.2,58.7 143.635,57.135 U3.7 ; 142.722,19.1 144.2,19.1 144.517,18.783 144.517,17.083 145.5,16.1 145.5,14.535 143.99,13.025 U2.7
  Top Layer w0.5: U8.8 U8.1 C24.2 72.175,72.875 72.6,73.3 83.075,73.3 88.5,67.875 88.5,62.025 89.725,60.8 94.3,60.8 95.075,61.575 C22.1 ; U6.5 C22.1 ; U5.5@93.083,70.937 U5.5 93.08,70.96 95.06,70.96 95.062,70.957 C20.1 ; R24.1 103.425,74.225 103.425,77.2 TP3.TP ; v1(109.35,77.25) TP3.TP ; C30.1 117.898,38.101 117.898,36.249 C29.1 ; U1.22 118.175,35.875 C29.1 ; v1(129.3,65.7) 129.312,65.688 129.312,58.712 C32.1 U10.5 ; v1(129.3,68.3) 129.3,73.9 130.6,75.2 v1(141.2,75.2) 141.2,67.3 C39.1 142.382,66.082 142.382,63.4 142.382,62.017 U3.3 ; C31.1 129.35,14.9 116,14.9 ; U9.5@129.45,13.225 C31.1@129.45,14.95 ; U2.3@142.722,17.953 142.722,19.1 C37.1@142.722,19.973 ; C37.1 C38.1 142.725,27.635 146.19,31.1 v1(175.6,31.1) 175.6,3.1 174.034,1.534 121.466,1.534 116,7 116,14.9 ; C22.1 C20.1 ; C20.1 95.075,71.825 100.5,77.25 TP3.TP ; 116,14.9 116,32.5 117.85,34.35 C29.1
  Bottom Layer w0.5: v1(109.35,77.25) 111.55,77.25 113.755,79.455 141,79.455 ; v1(129.3,65.7) v1(129.3,68.3) ; v1(141.2,75.2) 141.2,79.255 141,79.455 ; v1(175.6,31.1) 175.6,77.507 173.652,79.455 141,79.455
+5V_EXT: P2.1 U5.1 U5.3 | length 10.7
  Top Layer w0.5: U5.3 91.75,69.05 92,69.3 92,70.5 91.659,70.841 90.88,70.841 U5.1 90.77,77.1 P2.1
-5V: C23.1 C35.1 C36.1 U2.6 U2.9 U3.6 U3.9 U8.5 | length 251.7
  Top Layer w0.15: U3.9@142.365,58.725 142.94,59.3 U3.9 v1(144,59.3)
  Top Layer w0.5: C23.1 C35.1 C36.1 U8.5 86.153,67.447 87.6,66 87.6,61.9 89.7,59.8 94.8,59.8 97.673,62.673 v1(128.1,62.673) ; U3.6 U3.9@142.365,58.725 ; U2.6 142.72,14.85 143.12,15.25 U2.9 143.95,15.25 v1(144,15.3)
  Bottom Layer w0.5: v1(128.1,62.673) 144,62.673 ; v1(144,15.3) 144,3.7 146.1,1.6 172.8,1.6 174.7,3.5 174.7,49.269 174.9,49.469 174.9,76.6 172.8,78.7 147.5,78.7 144,75.2 144,62.673 ; v1(144,59.3) 144,62.673
GND: C3.2 C4.2 C5.2 C6.2 C7.2 C8.2 C12.2 C13.2 C14.2 C15.2 C16.2 C17.2 C19.2 C20.2 C21.2 C22.2 C23.2 C24.1 C26.2 C27.2 C28.2 C29.2 C30.2 C31.2 C32.2 C33.2 C34.1 C35.2 C36.2 C37.2 C38.2 C39.2 C40.2 LED1.2 LED2.2 P1.2 P2.2 P3.6 P3.7 P4.17 P5.1 P5.4 P5.8 P6.25 P7.3 P7.9 P8.1 P8.4 P8.8 P9.5 P10.6 P10.10 P10.11 R17.2 R18.2 R19.2 R20.2 R21.2 TP1.TP U1.2 U1.13 U1.23 U1.27 U4.2 U5.2 U6.2 U7.2 U8.3 U9.2 U10.2 | length 65.2
  Top Layer w0.15: P4.17 P4.17@52.131,66.7 ; v1(69.6,71.257) C24.1 ; v1@70.2,3.2 v1(70.215,3.215) P10.11@71.355,3.215 ; v1(70.535,14.365) P10.10 ; P10.11@73.56,15.49 v1(73.56,16.64) ; U8.3 v1(77.117,68.717) ; P10.6 v1(75.9,4) ; v1(80.156,62.044) C36.2 ; P10.11@81.34,15.49 v1(81.34,16.58) ; v1(82.656,62.044) C35.2 ; v1(84.906,62.1) C23.2 ; P10.11@85.645,14.695 v1(86.805,14.695) ; P10.11@85.745,3.365 v1(86.765,3.365) ; C34.1 v1(88.2,4.1) ; v1(89.6,70) U5.2 ; v1(89.7,63.5) U6.2 ; C33.2 v1(89.8,4.1) ; C22.2 v1(97.623,64.45) ; C20.2 v1(97.57,70.97) ; v1(102.212,72.5) LED2.2 ; v1(115.1,34.6) C29.2 ; v1(115.85,66.25) U7.2 ; v1(117.5,26.255) C12.2 ; v1(119.77,28.13) C13.2 ; v1(121.42,68.58) C19.2 ; v1(121.545,64.645) C21.2 ; v1(122.4,28.2) C14.2 ; v1(124.8,8.6) C8.2 ; v1(124.9,56.6) 125.25,56.25 U10.2 ; v1(125,52.85) C15.2 ; v1(125.65,12.25) U9.2 ; v1(129.129,76.371) LED1.2 ; v1(130.35,39.775) U1.13 ; C32.2 v1(131.7,58.7) ; C31.2 v1(131.937,14.975) ; v1(134.375,28.205) C7.2 ; C27.2 v1(136.45,40.95) ; C28.2 v1(135.275,46.075) ; v1(135.6,54.4) C17.2 ; v1(135.9,8.1) C4.2 ; C3.2 v1(135.9,20.4) ; C16.2 v1(137.085,63.375) ; v1(136.6,26.3) C5.2 ; C26.2 v1(136.725,44.525) ; v1(138.85,28.18) C6.2 ; C40.2 143.815,64.3 v1(145,64.3) ; C39.2 143.811,66.161 v1(145,66.161) ; C37.2 v1(145.2,19.975) ; C38.2 v1(145.2,21.7) ; R20.2@147.63,36.2 v1(148.7,36.2) ; R17.2 v1(148.7,39.2) ; R18.2 v1(148.7,40.7) ; R19.2 v1(148.7,42.2) ; R21.2 v1(148.7,43.7)
  Top Layer w0.5: v2(115.6,38.2) 115.619,38.181 116.566,38.181 C30.2
IOREF: P3.2
NetC1_1: C1.1 R3.1 U2.5 | length 10.5
  Top Layer w0.15: R3.1 139.575,16 141.45,14.125 U2.5 141.45,11.1 142.25,10.3 C1.1
NetC1_2: C1.2 R1.1 R2.2 U2.8 | length 10.6
  Top Layer w0.15: R1.1 C1.2 145.26,10.315 U2.8 145.31,12.5 149.8,12.5 150.325,11.975 R2.2
NetC9_1: C9.1 R5.2 R7.1 U2.1 | length 33
  Top Layer w0.15: R7.1 C9.1 v1(139.925,7.7) ; v1(139.9,6) 150,6 151.1,7.1 151.1,11.4 150.977,11.523 150.977,14.838 150.125,15.69 R5.2 145.31,18 U2.1
  Bottom Layer w0.15: v1(139.9,6) 139.912,6.013 139.912,7.687 v1(139.925,7.7)
NetC9_2: C9.2 R6.1 U2.4 | length 15.1
  Top Layer w0.15: C9.2 141.275,10.025 139.575,11.725 R6.1 139.575,15.375 138.8,16.15 138.8,18.75 139.65,19.6 140.95,19.6 141.45,19.1 U2.4
NetC10_1: C10.1 R10.1 U3.5 | length 10.5
  Top Layer w0.15: R10.1 139.35,61 139.925,60.425 139.925,58.245 141.065,57.105 141.095,57.105 U3.5 141.095,54.905 141.6,54.4 C10.1
NetC10_2: C10.2 R8.1 R9.2 U3.8 | length 9.3
  Top Layer w0.15: R8.1 C10.2 U3.8 148.25,56.6 148.65,56.2 R9.2@148.65,55.015
NetC18_1: C18.1 R12.2 R14.1 U3.1 | length 29.2
  Top Layer w0.15: R14.1 139.687,52.987 139.7,52.975 v1(139.7,51.8) ; v1(139.7,50.6) 148.9,50.6 149.475,51.175 149.475,59.525 148.65,60.35 R12.2 U3.1
  Bottom Layer w0.15: v1(139.7,50.6) v1(139.7,51.8)
NetC18_2: C18.2 R13.1 U3.4 | length 14.9
  Top Layer w0.15: C18.2 141.075,53.767 139.375,55.467 R13.1 139.375,60.125 138.698,60.802 138.698,63.098 139,63.4 140.775,63.4 141.095,63.08 U3.4
NetC25_1: C25.1 U8.2 | length 3.8
  Top Layer w0.15: C25.1 73.25,69.61 73.627,69.987 U8.2
NetC25_2: C25.2 U8.4 | length 3.8
  Top Layer w0.15: C25.2 73.337,67.86 73.75,67.447 U8.4
NetLED1_1: LED1.1 R23.2 | length 1.6
  Top Layer w0.15: LED1.1 131.812,76.383 131.812,77.987 R23.2
NetLED2_1: LED2.1 R24.2 | length 1.7
  Top Layer w0.15: LED2.1 105.013,72.512 105.013,74.163 R24.2
NetP4_11: P4.11 U1.19 | length 78.3
  Top Layer w0.15: v1(58.75,51.445) 60.392,49.802 111.894,49.802 123.859,37.838 124.712,37.838 U1.19
  Bottom Layer w0.15: P4.11 v1(58.75,51.445)
NetR4_1: R4.1 U9.1 U9.4 | length 5.1
  Top Layer w0.15: U9.1 126.925,13.2 127.95,12.175 127.95,12.15 128.75,11.35 129.425,11.35 U9.4 130.975,11.3 R4.1
NetR4_2: R4.2 U2.2 | length 17
  Top Layer w0.15: R4.2 133.625,9.725 v1(136.6,12.7) ; v1(143.555,16.52) 143.99,16.955 U2.2
  Bottom Layer w0.15: v1(136.6,12.7) 140.42,16.52 v1(143.555,16.52)
NetR11_1: R11.1 U10.1 U10.4 | length 5.8
  Top Layer w0.15: U10.1 127.4,57.2 127.898,56.702 127.898,55.702 128.3,55.3 U10.4 130.988,55.3 R11.1
NetR11_2: R11.2 U3.2 | length 26.8
  Top Layer w0.15: R11.2 133.462,53.762 134.036,54.336 134.036,63.248 134.84,64.052 141.36,64.052 141.622,63.79 141.622,60.978 142.165,60.435 143.547,60.435 143.635,60.523 U3.2
NetR15_2: R15.2 U1.6 | length 9.2
  Top Layer w0.15: R15.2 129.4,41.525 129.4,36.86 131.022,35.238 131.962,35.238 U1.6
NetR16_2: R16.2 U1.8 | length 14.6
  Top Layer w0.15: U1.8 140.475,36.525 141.622,37.672 146.052,37.672 R16.2
NetR17_1: R17.1 U1.9 | length 14.9
  Top Layer w0.15: U1.9 140.334,37.175 142.359,39.2 R17.1
NetR18_1: R18.1 U1.10 | length 15.3
  Top Layer w0.15: U1.10 140.229,37.825 143.104,40.7 R18.1
NetR19_1: R19.1 U1.11 | length 15.6
  Top Layer w0.15: U1.11 131.988,38.488 140.138,38.488 143.85,42.2 R19.1
NetR20_1: R20.1 U1.7 | length 14.3
  Top Layer w0.15: U1.7 140.542,35.875 140.942,36.275 R20.1
NetR21_1: R21.1 U1.12 | length 16
  Top Layer w0.15: U1.12 131.988,39.138 139.803,39.138 144.365,43.7 R21.1
NRST: P3.3
PA4: P4.9 U1.21 | length 87.4
  Top Layer w0.15: v1(60.119,48.8) 111.388,48.8 123.65,36.538 124.712,36.538 U1.21
  Bottom Layer w0.15: P4.9 49.185,53.985 49.185,53.594 47.9,52.309 47.9,49.8 48.9,48.8 v1(60.119,48.8)
PA15_I2S_B_WS: P4.5
PB3_I2S_B_CK: P4.8
PB4: P4.10 U1.20 | length 81.1
  Top Layer w0.15: v1(59,49.5) 111.443,49.5 123.754,37.188 124.712,37.188 U1.20
  Bottom Layer w0.15: P4.10 51.52,49.5 v1(59,49.5)
PB5_I2S_B_SD: P4.7
PB8_I2C_A_SCL: P4.20
PB9_I2C_A_SDA: P4.19
PB12_I2S_A_WS: P4.4 P9.4 U1.17 | length 86.6
  Top Layer w0.15: P4.4 50.769,65.492 63.368,65.492 P9.4 75.46,53.4 109.134,53.4 123.396,39.138 124.712,39.138 U1.17
PB13_I2S_A_CK: P4.3 P9.3 U1.16 | length 87.3
  Top Layer w0.15: P4.3 50.769,68.032 63.368,68.032 P9.3 77.638,53.762 109.526,53.762 123.5,39.788 124.712,39.788 U1.16
PB15_I2S_A_SD: P4.2 P9.2 U1.15 | length 88.9
  Top Layer w0.15: P4.2 50.923,70.417 63.523,70.417 P9.2 79.842,54.098 109.9,54.098 123.573,40.425 U1.15 125.406,40.425 U1.15@125.438,40.457
PC6_I2S_A_MCK: P4.1 P9.1 U1.18 | length 95.4
  Top Layer w0.15: P4.1 50.88,73 62.93,73 74.25,61.68 P9.1 82.08,54.4 110.32,54.4 123.32,41.4 126.357,41.4 126.807,40.95 126.807,38.832 126.463,38.488 124.738,38.488 U1.18
PC7_I2S_B_MCK: P4.6
PD3_USART_B_CTS: P6.26
PD4_USART_B_RTS: P6.27
PD5_USART_B_TX: P6.28
PD6_USART_B_RX: P6.29
PD7_USART_B_SCLK: P6.30
PD15_SD_CARD_SWITCH: P4.12 P10.9 R22.1 | length 60.3
  Top Layer w0.15: P4.12 54.199,53.985 55.933,52.25 55.933,38.257 69.967,24.224 69.967,8.533 71.76,6.74 P10.9 71.62,5.225 R22.1
PG2: P3.10
PG3: P3.9
SDMMC_D1: P3.15 P10.8 R25.1 | length 117.7
  Top Layer w0.15: v1(67.475,35.525) R25.1 69.2,27.1 74.8,21.5 74.8,10.527 74.025,9.753 74.025,3.06 P10.8
  Bottom Layer w0.15: P3.15 5,61.25 5,52.1 5.9,51.2 41.35,51.2 46.45,46.1 56.9,46.1 v1(67.475,35.525)
SDMMC_D2: P3.14 P10.1 R30.1 | length 134.3
  Top Layer w0.15: P10.1 81.4,5.365 84.843,8.808 84.843,23.743 89.8,28.7 R30.1 v1(88.1,35.425)
  Bottom Layer w0.15: P3.14 10.781,60.081 15.922,65.222 58.624,65.222 77.366,46.48 77.366,46.159 v1(88.1,35.425)
SPI_A_CS/SDMMC_D3: P3.13 P4.13 P10.2 R29.1 | length 125.7
  Top Layer w0.15: P3.13 6.432,57.602 51.038,57.602 P4.13 52.153,56.562 66.462,56.562 v1(66.5,56.6) ; P10.2 80.3,5 83,7.7 83,22.79 85.745,25.535 R29.1 v1(84.025,35.525)
  Bottom Layer w0.15: v1(66.5,56.6) 67.702,55.398 67.702,51.848 v1(84.025,35.525)
SPI_A_MISO/SDMMC_D0: P3.16 P4.15 P10.7 R26.1 | length 119.6
  Top Layer w0.15: P3.16 7.9,65.161 8.139,65.4 50.261,65.4 50.923,64.738 50.923,62.797 P4.15 ; v1(72.025,35.5) R26.1 73.6,23.128 75.102,21.625 75.102,10.402 74.8,10.1 P10.7
  Bottom Layer w0.15: P4.15 54.895,61.605 66.219,50.281 66.219,41.306 v1(72.025,35.5)
SPI_A_MOSI/SDMMC_CMD: P3.11 P4.14 P10.3 R28.1 | length 126.1
  Top Layer w0.15: P4.14 52.198,58.982 62.718,58.982 v1(62.8,58.9) ; P10.3 79.2,16 81.7,18.5 R28.1 v1(80.125,35.525)
  Bottom Layer w0.15: P3.11 38.761,52.461 46.442,60.142 51.038,60.142 P4.14 ; v1(62.8,58.9) 67.4,54.3 67.4,48.25 v1(80.125,35.525)
SPI_A_SCK/SDMMC_CLK: P3.12 P4.16 P10.5 R27.1 | length 124.5
  Top Layer w0.15: v1@76.1,35.55 v1(76.075,35.525) R27.1 77.638,4.838 77,4.2 P10.5
  Bottom Layer w0.15: P3.12 40.701,55.001 48.674,62.974 50.945,62.974 P4.16 55.2,64.145 66.9,52.445 66.9,44.7 v1(76.075,35.525)
VCOM_L: C8.1 U1.3 U9.3 | length 27.6
  Top Layer w0.15: v1(124.8,13.8) C8.1 124.825,11.3 U9.3 ; v1(124.8,16) 130,21.2 130,32.525 130.75,33.275 U1.3
  Bottom Layer w0.15: v1(124.8,13.8) v1(124.8,16)
VCOM_R: C15.1 U1.26 U10.3 | length 28.9
  Top Layer w0.15: U1.26 126.182,33.275 128.902,35.996 128.902,43.334 130.9,45.331 v1(130.9,46.3) ; C15.1@124.95,55.275 C15.1 125.025,55.3 U10.3 126.575,52.625 v1(130.9,48.3)
  Bottom Layer w0.15: v1(130.9,46.3) v1(130.9,48.3)
VIN: P3.8
VIN_L_+: C2.2 C4.1 R6.2 R7.2 U1.4 | length 37.6
  Top Layer w0.15: U1.4 138.81,33.925 140.298,32.437 140.298,28.759 134.4,22.862 134.4,15.9 135.775,14.525 C2.2 137.2,13.375 R6.2 138.025,10.775 R7.2 135.95,10.55 C4.1
VIN_L_+_BUFF: P5.2 P5.6 P5.7 R2.1 | length 19.9
  Top Layer w0.15: R2.1 P5.2 159.48,11.81 160.115,11.81 P5.7 P5.6
VIN_L_-: C2.1 C3.1 R1.2 R3.2 U1.5 | length 47.5
  Top Layer w0.15: U1.5 138.587,34.575 140.6,32.562 140.6,28.462 138.025,25.887 R3.2 ; C3.1 135.95,18 R3.2 ; R1.2 142.7,8.2 141.5,7 137.9,7 136.85,8.05 136.85,9.375 137.127,9.652 138.252,9.652 138.8,10.2 138.8,13.298 138.274,13.824 138.274,14.851 137.25,15.875 C2.1 137.2,16.462 138.025,17.287 R3.2
VIN_L_-_BUFF: P5.3 P5.5 R5.1 | length 5.7
  Top Layer w0.15: R5.1 P5.3 154.24,16.098 154.875,15.463 P5.5
VIN_R_+: C11.2 C17.1 R13.2 R14.2 U1.25 | length 37.5
  Top Layer w0.15: U1.25 126.25,33.925 128.6,36.275 128.6,46.1 129.47,46.97 133.318,46.97 134.702,48.355 134.702,56.612 135.015,56.925 C17.1 136.7,56.925 137.1,56.525 R13.2 ; R14.2 137.825,54.587 R13.2 ; C11.2 137.8,56.55 R13.2
VIN_R_+_BUFF: P8.2 P8.6 P8.7 R9.1 | length 21.6
  Top Layer w0.15: R9.1@150.2,55.015 P8.2 159.36,55.015 P8.7 P8.6
VIN_R_-: C11.1 C16.1 R8.2 R10.2 U1.24 | length 58
  Top Layer w0.15: U1.24 126.3,34.575 128.187,36.463 128.187,46.115 129.345,47.273 133.173,47.273 134.4,48.5 134.4,61.525 134.9,62.025 C16.1 137.775,62.025 R10.2 C11.1 137.85,59.95 138.6,59.2 138.6,53.962 138.338,53.7 137.125,53.7 136.5,53.075 136.5,51.65 136.975,51.175 142.915,51.175 143.355,51.615 R8.2
VIN_R_-_BUFF: P8.3 P8.5 R12.1 | length 7.2
  Top Layer w0.15: R12.1 P8.3 154.28,60.098 154.915,59.463 P8.5
VREF_L: C5.1 C6.1 C7.1 U1.1 | length 8.1
  Top Layer w0.15: U1.1 134.075,31.975 134.35,31.7 134.35,30.575 134.375,30.55 136.85,30.55 C6.1
VREF_R: C12.1 C13.1 C14.1 U1.28 | length 8.4
  Top Layer w0.15: C12.1 117.65,30.625 C13.1 119.82,30.675 C14.1 124.3,30.675 124.725,31.1 U1.28
pads on no net: P1. P2. P3.1 P4.18 P5.9 P5.10 P5.11 P6.1 P6.2 P6.3 P6.4 P6.5 P6.6 P6.7 P6.8 P6.9 P6.10 P6.11 P6.12 P6.13 P6.14 P6.15 P6.16 P6.17 P6.18 P6.19 P6.20 P6.21 P6.22 P6.23 P6.24 P7.1 P7.2 P7.4 P7.5 P7.6 P7.7 P7.8 P7.10 P7.11 P7.12 P7.13 P7.14 P7.15 P7.16 P7.17 P7.18 P7.20 P7.21 P7.22 P7.23 P7.24 P7.25 P7.26 P7.27 P7.28 P7.29 P7.30 P7.31 P7.32 P7.33 P7.34 P8.9 P8.10 P8.11 U4.4 U5.4 U6.4 U7.4 U8.6 U8.7

## Polygon pours and split planes (outlines as drawn)
GND on Top Layer "Top Layer-GND" (solid, remove dead copper, pour order 0): 0.1,79.7 0.4,80 177.6,80 177.6,0.15 177.75,0 0,0
GND on Bottom Layer "Top Layer-GND 1" (solid, pour order 2): 0,80 0,0 177.75,0 177.75,80

## Keep-outs
Keep-Out Layer:
  lines w0.254: 0,0 177.75,0 177.75,80 0,80 0,0

## Silkscreen, mask and mechanical layers (free items; w line width, h text height)
Top Overlay:
  drawing of 5 lines, arcs and shapes, not listed
  text "I2S_MCK" at 67.8,61.3 h0.8
  text "I2S_SD" at 68.6,58.8 h0.8
  text "I2S_CK" at 68.6,56.285 h0.8
  text "I2S_WS" at 68.6,53.9 h0.8
  text "GND" at 70.7,51 h0.8
  text "INPUT & PROCESSING BOARD REV 1.1" at 95.585,37.1 h0.8